# Altium PCB UDEMY__MFY.PcbDoc (part 1 of 2) (continued)
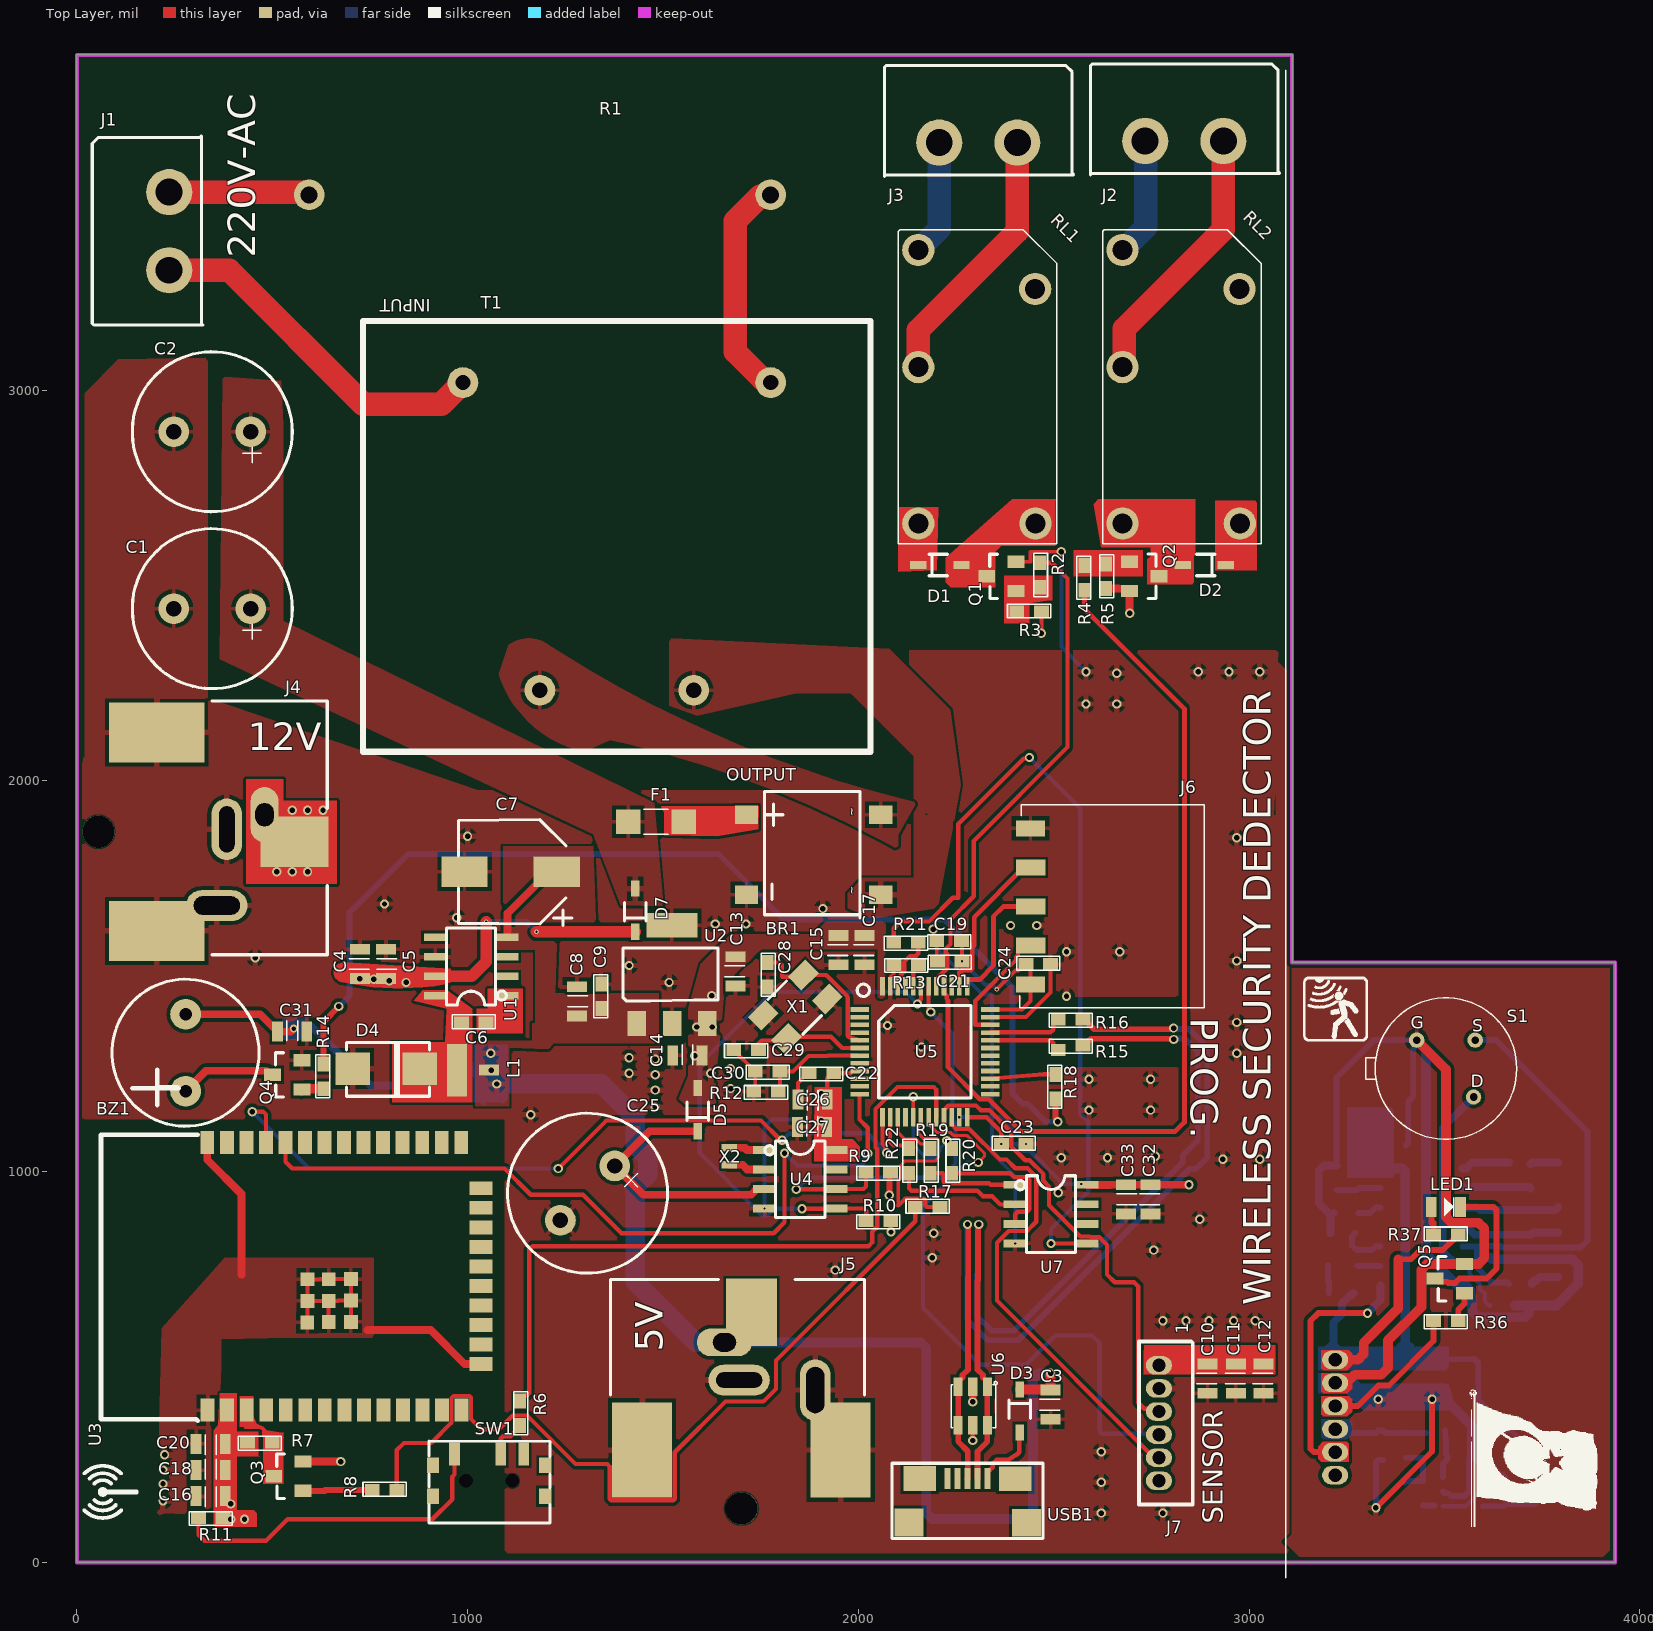
[diagram p0: Top Layer view]
## Components (designator, comment, footprint, x,y, rotation, side; value= is the part's Value field where it differs from the comment)
BR1 "DB105STR" DB105STR 1885.83,1811.02 r90 top
BZ1 "CMI-9605IC-0580T" CMI-9605IC-0580T 278.26,1304.42 r180 top
C1 "ESH477M050AH4AA" CAP_RADIAL_D10_P5 346.46,2440.94 r180 top value=470uF
C2 "ESH477M050AH4AA" CAP_RADIAL_D10_P5 346.46,2893.7 r180 top value=470uF
C3 "CL21A475KAQNNNE" CAP_0805 2492.13,403.54 r90 top value=4.7uF
C4 "CL21B105KBFNNNE" CAP_0805 724.41,1531.5 r90 top value=1uF
C5 "CL21B104KBCNNNC" CAP_0805 791.34,1531.5 r270 top value=100nF
C6 "0603B103K160CT" CAP_0603 1015.79,1381.89 r180 top value=10nF
C7 "EEV686M035A9HAA" CAP_EEVSERIES 1110.24,1767.72 r180 top value=68uF
C8 "CL21B105KBFNNNE" CAP_0805 1279.53,1436.06 r270 top value=1uF
C9 "CAP CER 100nF 0603" CAP_0603 1342.31,1448.85 r270 top value=100nF
C10 "CL21A475KAQNNNE" CAP_0805 2893.7,470.47 r90 top value=4.7uF
C11 "CL21A475KAQNNNE" CAP_0805 2966.18,470.47 r90 top value=4.7uF
C12 "CL21B105KBFNNNE" CAP_0805 3037.04,470.47 r90 top value=1uF
C13 "CL21A475KAQNNNE" CAP_0805 1686.22,1512.6 r90 top value=4.7uF
C14 "CL21B105KBFNNNE" CAP_0805 1562.6,1297.24 r0 top value=1uF
C15 "CL21A475KAQNNNE" CAP_0805 1948.82,1566.93 r90 top value=4.7uF
C16 "CL21A475KAQNNNE" CAP_0805 342.52,169.29 r180 top value=4.7uF
C17 "CL21B105KBFNNNE" CAP_0805 2015.75,1566.93 r90 top value=1uF
C18 "CL21B105KBFNNNE" CAP_0805 342.52,236.22 r0 top value=1uF
C19 "CAP CER 100nF 0603" CAP_0603 2232.25,1590.34 r0 top value=100nF
C20 "CL21B104KBCNNNC" CAP_0805 342.52,303.15 r180 top value=100nF
C21 "CAP CER 100nF 0603" CAP_0603 2233.85,1538.03 r0 top value=100nF
C22 "CAP CER 100nF 0603" CAP_0603 1905.47,1251.76 r0 top value=100nF
C23 "CAP CER 100nF 0603" CAP_0603 2397.68,1071.07 r180 top value=100nF
C24 "CAP CER 100nF 0603" CAP_0603 2460.63,1531.5 r180 top value=100nF
C25 "ESH477M050AH4AA" CAP_RADIAL_D10_P5 1307.09,944.88 r225 top value=470uF
C26 "CL21B104KBCNNNC" CAP_0805 1883.07,1185.04 r180 top value=100nF
C27 "CL21B105KBFNNNE" CAP_0805 1881.89,1114.17 r0 top value=1uF
C28 "CL10C200JB8NNNC" CAP_0603 1767.72,1503.94 r90 top value=20pF
C29 "CL10C200JB8NNNC" CAP_0603 1712.6,1311.02 r0 top value=20pF
C30 "CAP CER 100nF 0603" CAP_0603 1767.72,1255.91 r0 top value=100nF
C31 "CL21B104KBCNNNC" CAP_0805 551.18,1358.27 r0 top value=100nF
C32 "CL21B105KBFNNNE" CAP_0805 2748.03,929.13 r90 top value=1uF
C33 "CL21B104KBCNNNC" CAP_0805 2685.04,929.13 r270 top value=100nF
C34 "0603B103K160CT" CAP_0603 3665.35,870.08 r270 bottom value=10nF
C35 "C3216X5R1E336M160AC" CAP_1206 3791.34,787.4 r270 bottom value=33uF
C36 "C3216X5R1E336M160AC" CAP_1206 3791.34,966.54 r90 bottom value=33uF
C37 "CAP CER 100nF 0603" CAP_0603 3649.61,657.48 r180 bottom value=100nF
C38 "0603B103K160CT" CAP_0603 3665.35,992.13 r90 bottom value=10nF
C39 "CAP CER 100nF 0603" CAP_0603 3665.56,744.14 r270 bottom value=100nF
C40 "CAP CER 100nF 0603" CAP_0603 3657.48,181.1 r270 bottom value=100nF
C41 "CL21A475KAQNNNE" CAP_0805 3362.2,204.72 r0 bottom value=4.7uF
C42 "CAP CER 100nF 0603" CAP_0603 3224.41,984.25 r270 bottom value=100nF
C43 "CL21B105KBFNNNE" CAP_0805 3342.52,299.8 r90 bottom value=1uF
C44 "CL21B105KBFNNNE" CAP_0805 3370.08,1129.92 r180 bottom value=1uF
C45 "CAP CER 100nF 0603" CAP_0603 3370.11,1066.72 r180 bottom value=100nF
C46 "CL21A475KAQNNNE" CAP_0805 3330.71,476.97 r90 bottom value=4.7uF
C47 "CL21A475KAQNNNE" CAP_0805 3397.64,476.97 r90 bottom value=4.7uF
C48 "CL21B105KBFNNNE" CAP_0805 3468.5,476.97 r90 bottom value=1uF
D1 "1N4148WS" SOD323F 2208.67,2552.69 r0 top
D2 "1N4148WS" SOD323F 2885.44,2552.69 r180 top
D3 "1N4148WS" SOD323F 2413.39,387.4 r270 top
D4 "1SMB5919BT3G" SMB 791.93,1263.78 r180 top
D5 "1N4148WS" SOD323F 1588.58,1158.66 r90 top
D6 "LTST-C171GKT" LED_GREEN_0805 3240.16,759.84 r180 bottom
D7 "1N4148WS" SOD323F 1429.13,1669.29 r90 top
F1 "FUSE 3413.0216.22" 3413.0216.22 1482.13,1895.51 r180 top
J1 "TBP01R1-508-02BE" TBP01R1-508 236.22,3407.09 r270 top
J2 "TBP01R1-508-02BE" TBP01R1-508 2834.26,3637.8 r180 top
J3 "TBP01R1-508-02BE" TBP01R1-508 2307.09,3633.86 r180 top
J4 "PJ-037AH-SMT-TR" JACK 306.1,1870.08 r0 top
J5 "PJ-037AH-SMT-TR" JACK 1700.79,388.78 r90 top
J6 "SMH-105-02-L-S" PIN_HEADERS1X5RA 2440.94,1678.78 r90 top
J7 "64800611622" 64800611622_WÜRTH_CONN 2769.55,356.44 r270 top
J8 "64800611622" 64800611622_WÜRTH_CONN 3220.47,370.67 r270 bottom
L1 "78438335470" IND_1212 1013.78,1259.84 r0 top value=47uH
LED1 "LH R974-LP-1" LED_RED_0805 3503.94,909.69 r180 top
Q1 "MMBT3904-7-F" SOT23-F 2366.15,2523.62 r90 top
Q2 "MMBT3904-7-F" SOT23-F 2731.9,2523.62 r270 top
Q3 "MMBT3904-7-F" SOT23-F 541.34,220.47 r90 top
Q4 "MMBT3904-7-F" SOT23-F 538.58,1247.64 r90 top
Q5 "MMBT3904-7-F" SOT23-F 3513.78,726.38 r90 top
R1 "5WD27" RES_AXIAL_W 1185.04,3500 r0 top value=270mR
R2 "RES 1K OHM 0603" RES_0603#1 2464.57,2527.1 r90 top value=1K
R3 "RC0603FR-0710KL" RES_0603#1 2437.02,2433.07 r180 top value=10k
R4 "RES 1K OHM 0603" RES_0603#1 2578.74,2519.69 r270 top value=1K
R5 "RC0603FR-0710KL" RES_0603#1 2633.86,2523.62 r90 top value=10k
R6 "RES 100 OHM 0603" RES_0603#1 1133.86,381.89 r90 top value=100R
R7 "RES 1K OHM 0603" RES_0603#1 468.51,307.09 r0 top value=1K
R8 "RES 100 OHM 0603" RES_0603#1 787.4,185.04 r180 top value=100R
R9 "RC0603JR-074K7L" RES_0603#1 2051,998 r0 top value=4.7kR
R10 "RC0603JR-074K7L" RES_0603#1 2051.5,874 r0 top value=4.7kR
R11 "RES 100 OHM 0603" RES_0603#1 342.52,114.17 r0 top value=100R
R12 "RES 100 OHM 0603" RES_0603#1 1763.78,1204.72 r0 top value=100R
R13 "RES 100 OHM 0603" RES_0603#1 2122.79,1529.62 r0 top value=100R
R14 "RES 100 OHM 0603" RES_0603#1 631.5,1243.7 r270 top value=100R
R15 "RC0603JR-0715RL" RES_0603#2 2543.31,1322.83 r0 top value=15R
R16 "RC0603JR-0715RL" RES_0603#1 2543.31,1389.76 r0 top value=15R
R17 "RES 100 OHM 0603" RES_0603#1 2177.17,909.45 r180 top value=100R
R18 "RES 100 OHM 0603" RES_0603#1 2505,1217.5 r270 top value=100R
R19 "RES 100 OHM 0603" RES_0603#1 2185.04,1027.56 r90 top value=100R
R20 "RES 100 OHM 0603" RES_0603#1 2240.16,1027.56 r90 top value=100R
R21 "RES 100 OHM 0603" RES_0603#1 2122.04,1586.61 r0 top value=100R
R22 "RES 100 OHM 0603" RES_0603#1 2129.92,1027.56 r90 top value=100R
R23 "RC0603FR-0710KL" RES_0603#1 3724.41,744.09 r90 bottom value=10k
R24 "RC0603JR-07560KL" RES_0603#1 3720.47,870.08 r270 bottom value=560kR
R25 "RC0603FR-0710KL" RES_0603#1 3539.37,271.65 r0 bottom value=10k
R26 "RC0603FR-0710KL" RES_0603#1 3720.47,988.19 r270 bottom value=10k
R27 "RC0603JR-07560KL" RES_0603#1 3614.17,992.13 r90 bottom value=560kR
R28 "RC0603JR-0743KL" RES_0603#1 3618.11,748.03 r270 bottom value=43kR
R29 "RES 1K OHM 0603" RES_0603#1 3444.88,177.17 r90 bottom value=1K
R30 "RC0603JR-070RL" RES_0603#1 3240.16,842.52 r0 bottom value=0R
R31 "RC0603JR-070RL" RES_0603#1 3248.03,893.7 r0 bottom value=0R
R32 "RC0603JR-07220KL" RES_0603#1 3452.76,299.21 r90 bottom value=220kR
R33 "RC0603JR-07220KL" RES_0603#1 3401.57,299.21 r90 bottom value=220kR
R34 "RES 1K OHM 0603" RES_0603#1 3236.22,688.98 r0 bottom value=1K
R35 "RC0603JR-07220KL" RES_0603#1 3275.59,984.26 r90 bottom value=220kR
R36 "RES 1K OHM 0603" RES_0603#1 3503.94,618.11 r0 top value=1K
R37 "RES 100 OHM 0603" RES_0603#1 3503.94,838.58 r180 top value=100R
RL1 "ALQ112" ALQ112 2303.55,3009.06 r90 top
RL2 "ALQ112" ALQ112 2826.39,3009.05 r90 top
RT1 "TFPT1206L1002FM" RES_1206 3559.06,338.58 r0 bottom value=10kR
S1 "LHI 878/3902" "LHI 878/3902" 3503.94,1263.78 r0 top
SW1 "EG1215AA" EG1215AA 1055.12,208.66 r0 top
T1 "BV302S12010-ZU" BV302S 1381.89,2625.98 r0 top
U1 "LM2675MX-12/NOPB" SOIC8#1 1008.86,1525 r90 top
U2 "AP7361-33E-13" SOT-223 1523.25,1505 r0 top
U3 "ESP32-WROOM-32E(4MB)" ESP32-32E 683.8,732.28 r90 top
U4 "M41T00SM6F" SOIC8#2 1851.38,980.51 r270 top
U5 "STM32F103C6T6A" LQFP-48 2170.45,1306.71 r270 top
U6 "USBLC6-2SC6" SOT-23-6L 2292.48,399.89 r270 top
U7 "MAX6662MSA+" SOIC8#2 2493.11,891.14 r270 top
U8 "OPA314AIDBVR" SOT23-5 3547.24,181.1 r0 bottom
U9 "NCS36000DRG" SOIC14 3440.94,858.27 r180 bottom
USB1 "10118192-0001LF" MICRO_B_USB 2279.63,214.29 r0 top
X1 "ECS-160-20-30B-TR" ECS 1838.58,1421.28 r45 top
X2 "ABS05-32768KHZ-T" ABS-05 1669.29,1039.37 r270 top

## Footprints (in the part's own frame and the unit in brackets; to place one, negate y for a bottom-side part, rotate by r counter-clockwise, add the part's x,y. Pads: shape width x height; smd on the part's side, far side on the other; paste and mask are expansions set on the pad)
3413.0216.22 [mm]
  rect 1.6x1.6 smd mask+0.05: 1(-1.8,0) 2(1.8,0)
  rect 0.8x1 smd mask+0.05: 3(-1.8,0)
  silkscreen extent -0.8,-0.8 0.8,0.8, body extent -1.6,-0.8 1.6,0.8, height 0.6
64800611622_WÜRTH_CONN [mm]
  oval 1.2x1.7 hole 0.87 mask+0.05: 1(-3.75,0) 2(-2.25,0) 3(-0.75,0) 4(0.75,0) 5(2.25,0) 6(3.75,0)
  silkscreen extent -5.3,-1.3 5.3,2.2, body extent -5.25,-1.3 5.25,2.2, height 2.25
ABS-05 [mm]
  rect 0.5x1 smd mask+0.05: 1(-0.55,0) 2(0.55,0)
  body extent -0.8,-0.5 0.8,0.5, height 0.5
ALQ112 [mm]
  round 2.1 hole 1.3 mask+0.05: 1(6.35,-3.79) 2(1.27,3.81) 3(8.89,3.81) 4(-8.89,-3.81) 5(-8.89,3.81)
  silkscreen extent -10.2,-5.2 10.2,5.1, body extent -9.99,-5.09 10.01,4.91, height 15.6
BV302S [mm]
  round 2 hole 1 mask+0.05: 1(10,10) 5(-10,10) 7(-5,-10) 9(5,-10)
  silkscreen extent -16.5,-14 16.5,14, body extent -16.4,-13.9 16.4,13.9, height 29.75
CAP_0603 [mil]
  rect 38x31 smd mask+1.97: 1(-31.46,0.21) 2(31.54,0.21)
  silkscreen extent -55,-19 55,16, body extent -42,-21 41,19, height 31
CAP_0805 [mm]
  rect 0.7x1.3 smd mask+0.05: 1(-0.95,0) 2(0.95,0)
  silkscreen extent -0.35,-0.6 0.35,0.7, body extent -1.3,-0.68 1.3,0.68, height 0.9
CAP_1206 [mm]
  rect 0.9x1.6 smd mask+0.05: 1(-1.45,0) 2(1.45,0)
  silkscreen extent -0.4,-0.9 0.3,0.9, body extent -1.97,-0.98 1.97,0.98, height 1.3
CAP_EEVSERIES [mm]
  rect 3x2 smd mask+0.05: 1(-3,0) 2(3,0)
  silkscreen extent -4,-3.39 3.4,3.5, body extent -3.75,-3.4 3.75,3.4, height 8.06
CAP_RADIAL_D10_P5 [mm]
  round 2 hole 1 mask+0.05: 1(-2.5,0) 2(2.5,0)
  silkscreen extent -5.2,-5.2 5.2,5.2, body extent -5.25,-5.35 5.25,5.15, height 22.2
CMI-9605IC-0580T [mm]
  round 2 hole 0.8 mask+0.05: 1(0,2.5) 2(0,-2.5)
  silkscreen extent -4.78,-4.78 4.78,4.78, body extent -4.83,-4.78 4.77,4.82, height 5.5
DB105STR [mm]
  rect 1.2x1.52 smd mask+0.05: 1(-2.605,-4.37) 2(2.595,-4.37) 3(2.605,4.37) 4(-2.605,4.37)
  silkscreen extent -4.1,-3 4.1,3.2, body extent -4.08,-4.85 4.08,5.05, height 2.7
ECS [mm]
  rect 1.6x1.25 smd mask+0.05: 1(-1.85,-1.05) 2(1.85,-1.1) 3(1.85,1.1) 4(-1.85,1.1)
  silkscreen extent -0.9,-1.6 0.8,1.6, body extent -2.5,-1.6 2.5,1.6, height 0.85
EG1215AA [mm]
  round 0 hole 0.9 mask+0.05: 0(-1.5,0) 0(1.501,0.003)
  rect 0.7x1.5 smd mask+0.05: 1(-2.25,1.75) 2(0.75,1.75) 3(2.25,1.75)
  rect 0.8x1 smd mask+0.05: ""(-3.65,-1) ""(-3.65,1) ""(3.65,-1) ""(3.65,1)
  silkscreen extent -3.9,-2.75 3.95,2.6, body extent -3.85,-2.75 3.85,2.15, height 1.4
ESP32-32E [mm]
  rect 1.5x0.9 smd mask+0.05: 1(-8.7,8.87) 2(-8.7,7.6) 3(-8.7,6.33) 4(-8.7,5.06) 5(-8.7,3.79) 6(-8.7,2.52) 7(-8.7,1.25) 8(-8.7,-0.02) 9(-8.7,-1.29) 10(-8.7,-2.56) 11(-8.7,-3.83) 12(-8.7,-5.1) 13(-8.7,-6.37) 14(-8.7,-7.64) 25(8.7,-7.62) 26(8.7,-6.35) 27(8.7,-5.08) 28(8.7,-3.81) 29(8.7,-2.54) 30(8.7,-1.27) 31(8.7,0) 32(8.7,1.27) 33(8.7,2.54) 34(8.7,3.81) 35(8.7,5.08) 36(8.7,6.35) 37(8.7,7.62) 38(8.7,8.89)
  rect 0.9x1.5 smd mask+0.05: 15(-5.712,-8.89) 16(-4.442,-8.89) 17(-3.172,-8.89) 18(-1.902,-8.89) 19(-0.632,-8.89) 20(0.638,-8.89) 21(1.908,-8.89) 22(3.178,-8.89) 23(4.448,-8.89) 24(5.718,-8.89)
  rect 0.9x0.9 smd mask+0.05: 38(-3,2.389) 38(-2.982,1) 38(-2.97,-0.443) 38(-1.6,2.369) 38(-1.6,1) 38(-1.588,-0.443) 38(-0.2,2.369) 38(-0.2,1) 38(-0.188,-0.443)
  silkscreen extent -9.4,9.5 9.2,15.8, body extent -9.1,-9.25 8.9,16.25, height 3.2
IND_1212 [mm]
  rect 1.3x3.4 smd mask+0.05: 1(-1.05,0)
  rect 1.3x0.7 smd mask+0.05: 2(1.05,0)
  body extent -1.5,-1.5 1.5,1.5, height 1.15
JACK [mm] "Power Barrel Connector Jack 2.10mm ID (0.083\"), 5.50mm OD (0.217\") Surface Mount, Right Angle; Through Hole"
  oval 1.8x3.6 hole 1.2 slot 1.5 at 90 deg: 1(4.425,1.1)
  rect 4.4x3.3 smd: 1(6.375,-0.65)
  rect 6.2x3.9 smd: 2(-2.575,6.45) 3(-2.575,-6.45)
  oval 2x4 hole 1 slot 3 at 90 deg: 2(1.975,0.15)
  oval 4x2 hole 1.2 slot 3 at 0 deg: 3(1.325,-4.8)
  round 2.1 hole 2.1 unplated: ""(-6.375,0)
  silkscreen extent 1,-8 8.5,8.5, body extent -9.28,-7.45 7.83,7.75, height 11.1
LED_GREEN_0805 [mm]
  rect 0.7x1.3 smd mask+0.05: 1(-0.943,0.018) 2(0.957,0.018)
  silkscreen extent -0.49,-0.58 0.11,0.62, body extent -1,-0.63 1,0.63, height 0.8
LED_RED_0805 [mm]
  rect 0.7x1.3 smd mask+0.05: 1(-0.953,-0.006) 2(0.947,-0.006)
  silkscreen extent -0.5,-0.6 0.1,0.6, body extent -1,-0.63 1,0.63, height 0.8
"LHI 878/3902" [mm]
  round 1 hole 0.5 mask+0.05: 1(1.8,-1.85) 2(1.9,1.85) 3(-1.9,1.85)
  silkscreen extent -5.2,-4.6 4.6,4.6, body extent -5.08,-4.54 4.59,4.64, height 4.6
LQFP-48 [mm] "7mmx7mm"
  rect 0.3x1.2 smd mask+0.05: 1(-2.75,-4.25) 2(-2.25,-4.25) 3(-1.75,-4.25) 4(-1.25,-4.25) 5(-0.75,-4.25) 6(-0.25,-4.25) 7(0.25,-4.25) 8(0.75,-4.25) 9(1.25,-4.25) 10(1.75,-4.25) 11(2.25,-4.25) 12(2.75,-4.25) 25(2.75,4.25) 26(2.25,4.25) 27(1.75,4.25) 28(1.25,4.25) 29(0.75,4.25) 30(0.25,4.25) 31(-0.25,4.25) 32(-0.75,4.25) 33(-1.25,4.25) 34(-1.75,4.25) 35(-2.25,4.25) 36(-2.75,4.25) ""(1.75,4.25)
  rect 1.2x0.3 smd mask+0.05: 13(4.25,-2.76) 14(4.25,-2.26) 15(4.25,-1.76) 16(4.25,-1.26) 17(4.25,-0.76) 18(4.25,-0.26) 19(4.25,0.24) 20(4.25,0.74) 21(4.25,1.24) 22(4.25,1.74) 23(4.25,2.24) 24(4.25,2.75) 37(-4.25,2.75) 38(-4.25,2.24) 39(-4.25,1.74) 40(-4.25,1.24) 41(-4.25,0.74) 42(-4.25,0.24) 43(-4.25,-0.26) 44(-4.25,-0.76) 45(-4.25,-1.26) 46(-4.25,-1.76) 47(-4.25,-2.26) 48(-4.25,-2.76) ""(-4.25,1.74)
  silkscreen extent -4.4,-4.4 3,3, body extent -4.5,-4.5 4.5,4.5, height 1.5
MICRO_B_USB [mm]
  rect 0.4x1.35 smd mask+0.05: 1(1.302,0.007) 2(0.653,0.007) 3(0,0) 4(-0.645,0.007) 5(-1.303,0.007)
  rect 1.9x1.8 smd mask+0.05: ""(-3.8,-2.85) ""(3.828,-2.877)
  rect 2.1x1.6 smd mask+0.05: ""(-3.1,0.007) ""(3.1,0)
  silkscreen extent -4.9,-3.9 4.9,1, body extent -3.96,-5.36 3.96,0.3, height 2.79
PIN_HEADERS1X5RA [mm]
  rect 1.04x1.91 smd mask+0.05: 1(-5.08,0.004) 1(-5.08,0.004) 2(-2.541,0) 3(-0.008,0) 4(2.538,-0.004) 5(5.08,0.004)
  silkscreen extent -6.6,-11.3 6.6,0.7, body extent -6.6,-11.31 6.6,0.63, height 2.41
RES_0603#1 [mil]
  rect 38x31 smd mask+1.97: 1(-31.5,0) 2(31.5,0)
  silkscreen extent -55,-20 55,16, body extent -39,-20 39,19, height 17
RES_0603#2 [mil]
  rect 38x31 smd mask+1.97: 1(-31.5,-11.42) 2(31.5,0)
  silkscreen extent -55,-20 55,16, body extent -39,-20 39,19, height 17
RES_1206 [mm]
  rect 0.9x1.6 smd mask+0.05: 1(-1.45,0) 2(1.45,0)
  silkscreen extent -0.75,-0.8 0.75,0.8, body extent -1.98,-1.04 1.98,0.84, height 0.55
RES_AXIAL_W [mm]
  round 2 hole 1.1 mask+0.05: 1(-15,0) 2(15,0)
  body extent -15.4,-4.82 15.4,4.82, height 9.65
SMB [mm]
  rect 2.25x2.12 smd: A(2.185,0) C(-2.185,0)
  silkscreen extent -2.8,-1.7 2.6,1.8, body extent -2.82,-1.68 2.62,1.88, height 2.49
SOD323F [mm]
  rect 1.05x0.55 smd mask+0.05: 1(-1.4,0) 2(1.4,0)
  silkscreen extent -0.7,-0.7 0.5,0.7, body extent -1.35,-0.7 1.35,0.65, height 0.79
SOIC8#1 [mm]
  rect 0.5x1.5 smd mask+0.05: 1(-1.905,-2.325) 2(-0.635,-2.325) 3(0.635,-2.325) 5(1.905,2.325) 6(0.635,2.325) 7(-0.635,2.325) 8(-1.905,2.325) ""(1.905,-2.325) ""(1.905,-2.325)
  silkscreen extent -2.5,-2.3 2.5,1.6, body extent -2.5,-2.86 2.4,3.04, height 1.52
SOIC8#2 [mm]
  rect 0.5x1.5 smd mask+0.05: 1(-1.905,-2.325) 2(-0.635,-2.325) 3(0.635,-2.325) 4(1.905,-2.325) 5(1.905,2.325) 6(0.635,2.325) 7(-0.635,2.325) 8(-1.905,2.325) ""(1.905,-2.325)
  silkscreen extent -2.5,-2.3 2.5,1.6, body extent -2.5,-2.86 2.4,3.04, height 1.52
SOIC14 [mm]
  rect 1.18x0.57 smd mask+0.05: 1(-2.66,3.81) 2(-2.66,2.54) 3(-2.66,1.27) 4(-2.66,0) 5(-2.66,-1.27) 6(-2.66,-2.54) 7(-2.66,-3.81) 8(2.66,-3.81) 9(2.66,-2.54) 10(2.66,-1.27) 11(2.66,0) 12(2.66,1.27) 13(2.66,2.54) 14(2.66,3.81)
  silkscreen extent -1.9,-4.3 1.9,4.3, body extent -3,-4.33 3,4.33, height 2.05
SOT23-5 [mm]
  rect 1.1x0.6 smd mask+0.05: 1(-1.3,0.95) 2(-1.3,0) 3(-1.3,-0.95) 4(1.3,-0.95) 5(1.3,0.95)
  silkscreen extent -0.7,-1.3 0.8,1.4, body extent -1.4,-1.45 1.4,1.45, height 1.45
SOT23-F [mm]
  rect 0.8x1.1 smd mask+0.05: 1(-0.95,-0.95) 2(0.95,-0.95) 3(0,0.95)
  silkscreen extent -1.45,0.25 1.44,0.76, body extent -1.5,-1.25 1.4,1.15, height 0.9
SOT-23-6L [mm]
  rect 1.21x0.59 smd mask+0.05: 1(-1.261,0.962) 2(-1.261,0.012) 3(-1.261,-0.938) 4(1.249,-0.938) 5(1.249,0.012) 6(1.249,0.962)
  silkscreen extent -1.6,-1.4 1.4,1.6, body extent -1.4,-1.42 1.4,1.5, height 1.4
SOT-223 [mm] "SOT223"
  rect 1.2x1.6 smd mask+0.05: 1(-2.3,-3.2) 2(0,-3.2) 3(2.3,-3.2)
  rect 3.3x1.6 smd mask+0.05: 2(0,3.2)
  silkscreen extent -3.2,-1.72 3,1.7, body extent -3.25,-3.4 3.25,3.6, height 1.8
TBP01R1-508 [mm]
  round 3 hole 1.75 mask+0.05: 1(-2.54,0) 2(2.54,0)
  silkscreen extent -6.2,-5 6.1,2.2, body extent -6,-10.1 5.76,1.9, height 8.5

## Part data
BR1: "Bridge Rect 1PHASE 600V 1A Db-s", Case/Package=DB-S, Manufacturer=SMC, Max Current=1A, Operating Voltage=600V, Supplier Part Number=5119461, Category="Industrial Control", ComponentLink1Description=http://www.smc-diodes.com/propdf/DB101S%20THRU%20DB107S%20N1459%20REV.B.pdf?src-supplier=Digikey, ComponentLink1URL=http://www.smc-diodes.com/propdf/DB101S%20THRU%20DB107S%20N1459%20REV.B.pdf?src-supplier=Digikey, Manufacturer Part Number=DB105STR, Pricing="1500=0,0543, 4500=0,0528, 7500=0,0522, 15000=0,0513, 30000=0,0499 (USD)", RoHS=No, Supplier="Future Electronics"
BZ1: "9.6 mm, 5 Vdc, 80 dB, Through Hole, Driving Circuit, Magnetic Audio Indicator Buzzer", Case/Package=CMI9605-IC, Manufacturer="Same Sky", Supplier Part Number=490-CMI-9605IC-0580T, Category="Audio Products", ComponentLink1Description=https://datasheet.octopart.com/CMI-9605IC-0580T-Same-Sky-datasheet-182879756.pdf?src-supplier=Electro+Sonic, ComponentLink1URL=https://datasheet.octopart.com/CMI-9605IC-0580T-Same-Sky-datasheet-182879756.pdf?src-supplier=Electro+Sonic, ComponentLink2Description=https://datasheet.octopart.com/CMI-9605IC-0580T-Same-Sky-datasheet-189104509.pdf?src-supplier=Master+Electronics, ComponentLink2URL=https://datasheet.octopart.com/CMI-9605IC-0580T-Same-Sky-datasheet-189104509.pdf?src-supplier=Master+Electronics, ComponentLink3Description=https://datasheet.octopart.com/CMI-9605IC-0580T-Same-Sky-datasheet-188930169.pdf?src-supplier=TME, ComponentLink3URL=https://datasheet.octopart.com/CMI-9605IC-0580T-Same-Sky-datasheet-188930169.pdf?src-supplier=TME, DESIGNED BY=MFY, Manufacturer Part Number=CMI-9605IC-0580T, Pricing="1=1,46, 10=1,19, 50=1,03, 100=0,981, 1000=0,869, 10000=0,731 (USD)", RoHS=No, Stock=1255, Supplier=Mouser
C1 C2 C25: library part "CAP ALU ELEC 470uF 50V", "Aluminum Electrolytic Capacitor, Polarized, Aluminum (wet), 50V, 20% +Tol, 20% -Tol, 470uF, Through Hole Mount", Capacitor Type=Aluminium, Leakage Current=235uA, Manufacturer=KEMET, Max Operating Temperature=105°C, Min Operating Temperature=-40°C, Package Shape=Cylindrical, Rated DC Voltage (URdc)=50V, Ripple Current=630mA, Supplier Part Number=80-ESH477M050AH4AA, Tolerance  (fill in as +-)=20%, Category=Capacitors, ComponentLink1Description=https://datasheet.ciiva.com:443/pdfs/VipMasterIC/IC/KEME/KEME-S-A0008512286/KEME-S-A0008512286-1.pdf?src-supplier=IHS+Markit, ComponentLink1URL=https://datasheet.ciiva.com:443/pdfs/VipMasterIC/IC/KEME/KEME-S-A0008512286/KEME-S-A0008512286-1.pdf?src-supplier=IHS+Markit, ComponentLink2Description=https://api.kemet.com/component-edge/download/datasheet/ESH477M050AH4AA.pdf?src-supplier=Digikey, ComponentLink2URL=https://api.kemet.com/component-edge/download/datasheet/ESH477M050AH4AA.pdf?src-supplier=Digikey, ComponentLink3Description=https://datasheet.octopart.com/ESH477M050AH4AA-KEMET-datasheet-130075338.pdf?src-supplier=Newark, ComponentLink3URL=https://datasheet.octopart.com/ESH477M050AH4AA-KEMET-datasheet-130075338.pdf?src-supplier=Newark, ComponentLink4Description=https://datasheet.octopart.com/ESH477M050AH4AA-KEMET-datasheet-157246171.pdf?src-supplier=Element14, ComponentLink4URL=https://datasheet.octopart.com/ESH477M050AH4AA-KEMET-datasheet-157246171.pdf?src-supplier=Element14, Dielectric Material=Aluminium, Manufacturer Part Number=ESH477M050AH4AA, Mounting Technology="Through Hole", Packaging=Bulk, Pins=2, Polarity=Polarized, Pricing="1=0,55, 10=0,338, 50=0,338, 100=0,251, 1000=0,206, 10000=0,174 (USD)", Reach SVHC Compliant=Yes, RoHS=Yes, RoHS Compliant=Yes, Stock=31, Supplier=Mouser, Tan Delta=0.12, Termination=Wire, Tolerance (fill in as +-)=20%
C3 C10 C11 C13 C15 C16 C41 C46 C47: library part "CAP CER 4.7uF 0805", "Ceramic Capacitor, Multilayer, Ceramic, 25V, 10% +Tol, 10% -Tol, X5R, 15% TC, 4.7uF, Surface Mount, 0805", Capacitor Type=Ceramic, Case/Package=0805, Manufacturer=Samsung, Max Operating Temperature=85°C, Min Operating Temperature=-55°C, Package Shape=Rectangular, Package Style=SMTMeter, Rated DC Voltage (URdc)=25V, Supplier Part Number=187-CL21A475KAQNNNE, Temperature Characteristics Code=X5R, Tolerance  (fill in as +-)=10%, Category="Ceramic Capacitors", ComponentLink1Description=https://datasheet.ciiva.com:443/pdfs/VipMasterIC/IC/SEMS/SEMS-S-A0008528919/SEMS-S-A0008528938-1.pdf?src-supplier=IHS+Markit, ComponentLink1URL=https://datasheet.ciiva.com:443/pdfs/VipMasterIC/IC/SEMS/SEMS-S-A0008528919/SEMS-S-A0008528938-1.pdf?src-supplier=IHS+Markit, ComponentLink2Description=https://datasheet.ciiva.com/25798/cl21a475kaqnnne-25798882.pdf?src-supplier=Digikey, ComponentLink2URL=https://datasheet.ciiva.com/25798/cl21a475kaqnnne-25798882.pdf?src-supplier=Digikey, Dielectric Material=Ceramic, Height=1.4mm, JESD-609 Code=e3, Length=2mm, Manufacturer Part Number=CL21A475KAQNNNE, Mounting Technology="Surface Mount", Multilayer=Yes, Packaging="Tape and Reel", Pins=2, Pricing="1=0,1, 10=0,039, 50=0,039, 100=0,032, 1000=0,022, 10000=0,012 (USD)", Reach SVHC Compliant=Yes, RoHS=Yes, RoHS Compliant=Yes, Stock=101326, Supplier=Mouser, Terminal Finish=Nickel, Termination=Wraparound, Tolerance (fill in as +-)=10%, Width=1.25mm
C4 C8 C12 C14 C17 C18 C27 C32 C43 C44 C48: library part "CAP CER 1uF 0805", "Ceramic Capacitor, Multilayer, Ceramic, 50V, 10% +Tol, 10% -Tol, X7R, 15% TC, 1uF, Surface Mount, 0805", Capacitor Type=Ceramic, Case/Package=0805, Manufacturer=Samsung, Max Operating Temperature=125°C, Min Operating Temperature=-55°C, Package Shape=Rectangular, Package Style=SMTMeter, Rated DC Voltage (URdc)=50V, Supplier Part Number=187-CL21B105KBFNNNE, Temperature Characteristics Code=X7R, Tolerance  (fill in as +-)=10%, Category="Ceramic Capacitors", ComponentLink1Description=https://datasheet.ciiva.com:443/pdfs/VipMasterIC/IC/SEMS/SEMS-S-A0008524728/SEMS-S-A0008523023-1.pdf?src-supplier=IHS+Markit, ComponentLink1URL=https://datasheet.ciiva.com:443/pdfs/VipMasterIC/IC/SEMS/SEMS-S-A0008524728/SEMS-S-A0008523023-1.pdf?src-supplier=IHS+Markit, ComponentLink2Description=https://datasheet.ciiva.com/16449/cl21b105kbfnnne-16449003.pdf?src-supplier=Future+Electronics, ComponentLink2URL=https://datasheet.ciiva.com/16449/cl21b105kbfnnne-16449003.pdf?src-supplier=Future+Electronics, ComponentLink3Description=https://datasheet.ciiva.com/25800/cl21b105kbfnnne-25800291.pdf?src-supplier=Digikey, ComponentLink3URL=https://datasheet.ciiva.com/25800/cl21b105kbfnnne-25800291.pdf?src-supplier=Digikey, Dielectric Material=Ceramic, Height=1.35mm, JESD-609 Code=e3, Length=2mm, Manufacturer Part Number=CL21B105KBFNNNE, Mounting Technology="Surface Mount", Multilayer=Yes, Packaging="Tape and Reel", Pins=2, Pricing="1=0,1, 10=0,016, 50=0,016, 100=0,013, 1000=0,013, 10000=0,011 (USD)", Reach SVHC Compliant=Yes, RoHS=Yes, RoHS Compliant=Yes, Stock=619004, Supplier=Mouser, Terminal Finish=Nickel, Termination=Wraparound, Tolerance (fill in as +-)=10%, Width=1.25mm
C5 C20 C26 C31 C33: library part "CAP CER 100nF 0805", "Ceramic Capacitor, Multilayer, Ceramic, 50V, 10% +Tol, 10% -Tol, X7R, 15% TC, 0.1uF, Surface Mount, 0805", Capacitor Type=Ceramic, Case/Package=0805, Manufacturer=Samsung, Max Operating Temperature=125°C, Min Operating Temperature=-55°C, Package Shape=Rectangular, Package Style=SMTMeter, Rated DC Voltage (URdc)=50V, Supplier Part Number=187-CL21B104KBCNNNC, Temperature Characteristics Code=X7R, Tolerance  (fill in as +-)=10%, Category="Ceramic Capacitors", ComponentLink1Description=https://datasheet.ciiva.com:443/pdfs/VipMasterIC/IC/SEMS/SEMS-S-A0008521003/SEMS-S-A0008521039-1.pdf?src-supplier=IHS+Markit, ComponentLink1URL=https://datasheet.ciiva.com:443/pdfs/VipMasterIC/IC/SEMS/SEMS-S-A0008521003/SEMS-S-A0008521039-1.pdf?src-supplier=IHS+Markit, ComponentLink2Description=https://datasheet.ciiva.com/25710/cl21b104kbcnnnc-25710182.pdf?src-supplier=Digikey, ComponentLink2URL=https://datasheet.ciiva.com/25710/cl21b104kbcnnnc-25710182.pdf?src-supplier=Digikey, ComponentLink3Description=https://datasheet.ciiva.com/29199/454152-da-01-en-vs-kondensator-0805-29199814.pdf?src-supplier=Conrad, ComponentLink3URL=https://datasheet.ciiva.com/29199/454152-da-01-en-vs-kondensator-0805-29199814.pdf?src-supplier=Conrad, Dielectric Material=Ceramic, Height=0.95mm, JESD-609 Code=e3, Length=2mm, Manufacturer Part Number=CL21B104KBCNNNC, Mounting Technology="Surface Mount", Multilayer=Yes, Packaging="Tape and Reel", Pins=2, Pricing="1=0,1, 10=0,006, 50=0,006, 100=0,006, 1000=0,006, 10000=0,005 (USD)", Reach SVHC Compliant=Yes, RoHS=Yes, RoHS Compliant=Yes, Stock=699327, Supplier=Mouser, Terminal Finish=Nickel, Termination=Wraparound, Tolerance (fill in as +-)=10%, Width=1.25mm
C6 C34 C38: library part "CAP CER 10nF 0603", "Ceramic Capacitor, Multilayer, Ceramic, 16V, 10% +Tol, 10% -Tol, X7R, 15% TC, 0.01uF, Surface Mount, 0603", Capacitor Type=Ceramic, Case/Package=0603, Manufacturer="Walsin Technologies", Max Operating Temperature=125°C, Min Operating Temperature=-55°C, Package Shape=Rectangular, Package Style=SMTMeter, Rated DC Voltage (URdc)=16V, Supplier Part Number=791-0603B103K160CT, Temperature Characteristics Code=X7R, Tolerance  (fill in as +-)=10%, Category="Ceramic Capacitors", ComponentLink1Description=https://datasheet.ciiva.com:443/pdfs/VipMasterIC/IC/WATC/WATC-S-A0009550342/WATC-S-A0009550342-1.pdf?src-supplier=IHS+Markit, ComponentLink1URL=https://datasheet.ciiva.com:443/pdfs/VipMasterIC/IC/WATC/WATC-S-A0009550342/WATC-S-A0009550342-1.pdf?src-supplier=IHS+Markit, ComponentLink2Description=http://www.farnell.com/datasheets/1958513.pdf?src-supplier=Farnell, ComponentLink2URL=http://www.farnell.com/datasheets/1958513.pdf?src-supplier=Farnell, ComponentLink3Description=https://datasheet.octopart.com/0603B103K160CT-Walsin-Technologies-datasheet-85392065.pdf?src-supplier=Element14, ComponentLink3URL=https://datasheet.octopart.com/0603B103K160CT-Walsin-Technologies-datasheet-85392065.pdf?src-supplier=Element14, ComponentLink4Description=http://www.passivecomponent.com/wp-content/uploads/2018/10/MLCC.pdf?src-supplier=Digikey, ComponentLink4URL=http://www.passivecomponent.com/wp-content/uploads/2018/10/MLCC.pdf?src-supplier=Digikey, ComponentLink5Description=https://datasheet.octopart.com/0603B103K160CT-Walsin-Technologies-datasheet-136037192.pdf?src-supplier=Future+Electronics, ComponentLink5URL=https://datasheet.octopart.com/0603B103K160CT-Walsin-Technologies-datasheet-136037192.pdf?src-supplier=Future+Electronics, ComponentLink6Description=https://datasheet.octopart.com/0603B103K160CT-Walsin-Technologies-datasheet-62066062.pdf?src-supplier=TME, ComponentLink6URL=https://datasheet.octopart.com/0603B103K160CT-Walsin-Technologies-datasheet-62066062.pdf?src-supplier=TME, Dielectric Material=Ceramic, Height=0.8mm, JESD-609 Code=e3, Length=1.6mm, Manufacturer Part Number=0603B103K160CT, Mounting Technology="Surface Mount", Multilayer=Yes, Packaging="Tape and Reel", Pins=2, Pricing="1=0,1, 10=0,017, 50=0,017, 100=0,01, 1000=0,006, 10000=0,003 (USD)", Reach SVHC Compliant=Yes, RoHS=Yes, RoHS Compliant=Yes, Stock=5599, Supplier=Mouser, Terminal Finish=Nickel, Termination=Wraparound, Tolerance (fill in as +-)=10%, Width=0.8mm